# KiCad board FD.kicad_pcb
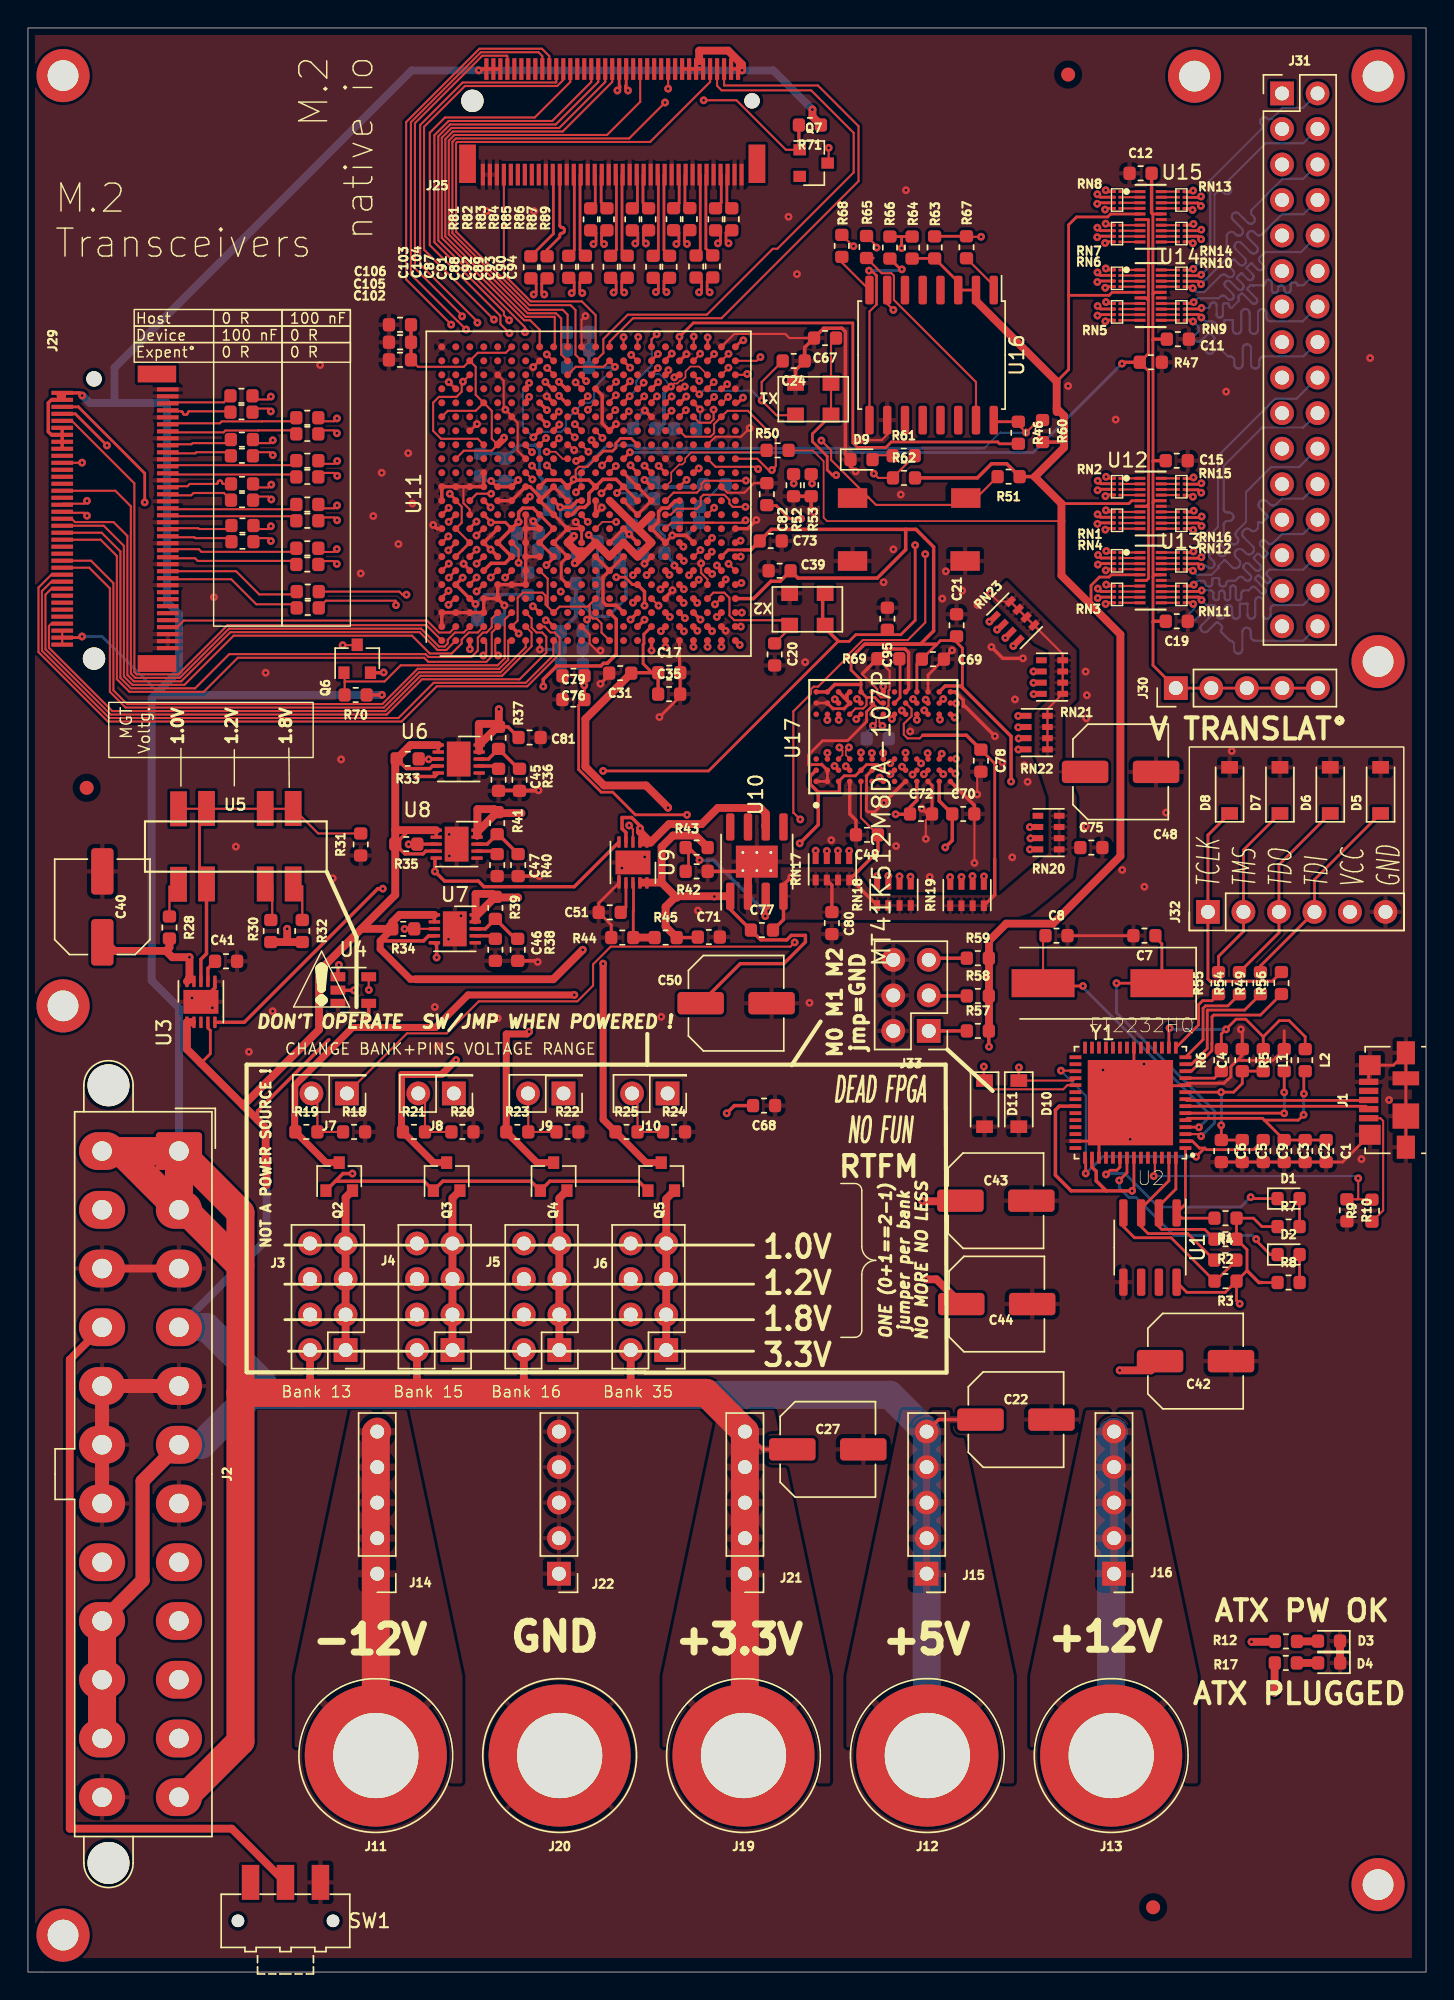
[diagram p0: board, top side]
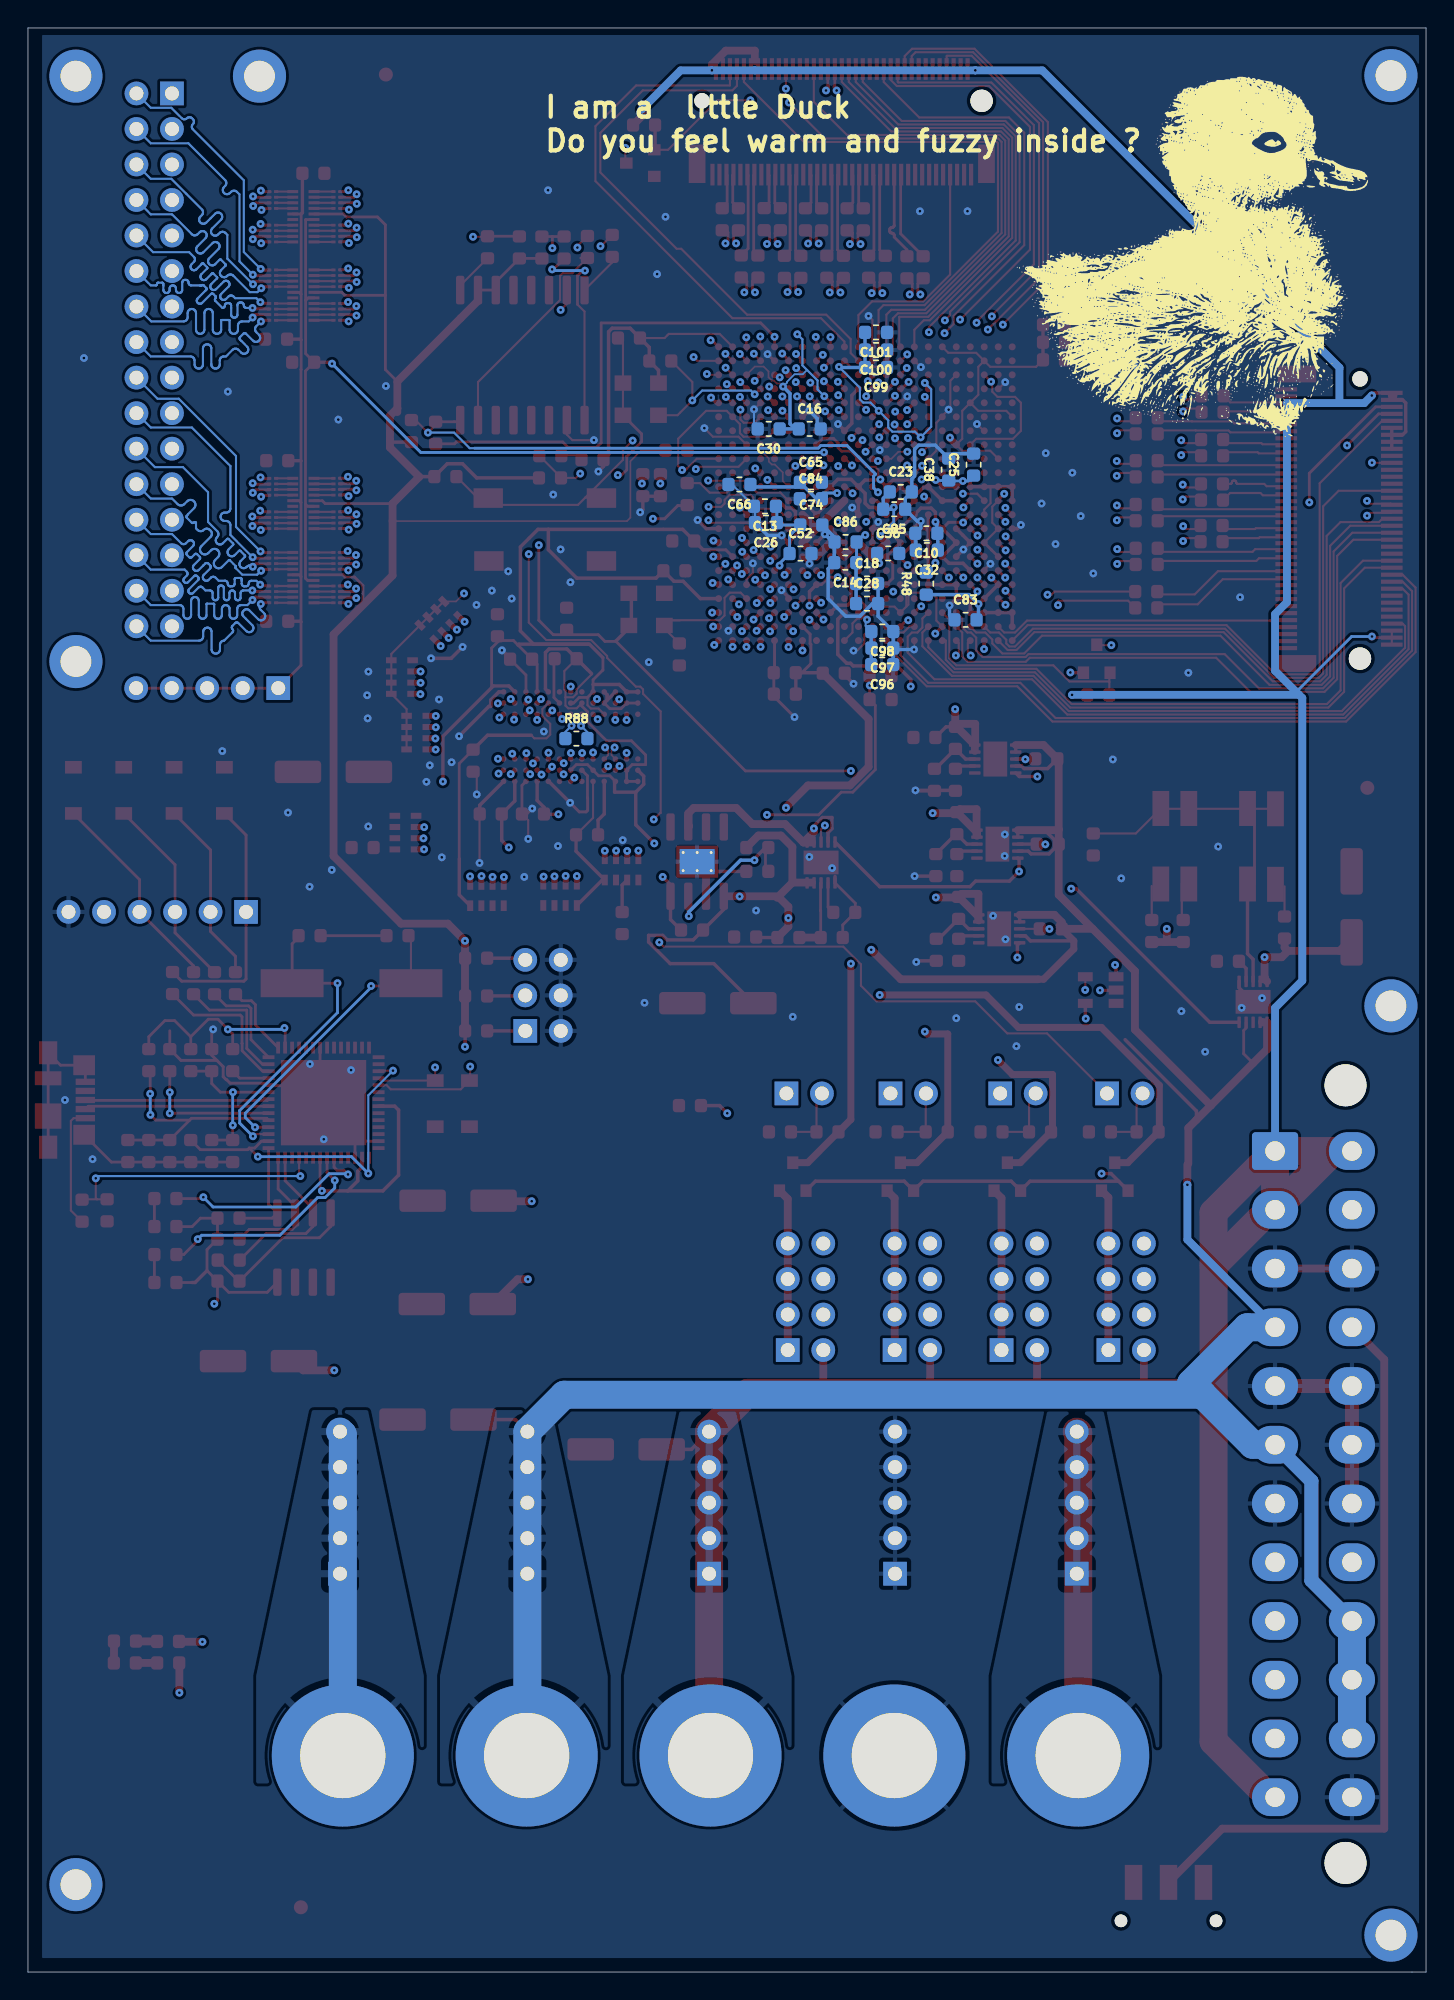
[diagram p1: board, bottom side, seen from below]

Outline 100 x 139 mm; copper layers: Top, In1.CuGND_DDR (plane), In2.Cu_SigDDR, In3.Cu_GND_DDR, In4.Cu_SigDDR (plane), B.Cu_GND_DDR. Coordinates in mm from the lower left corner of the outline.
Outline path: 0,139 0,0 100,0 100,139 0,139
Stack: Top 0.035mm / dielectric 0.1mm FR4 er 4.08 / In1.CuGND_DDR 0.0175mm / dielectric 0.365mm FR4 er 4.08 / In2.Cu_SigDDR 0.0175mm / dielectric 0.127mm FR4 er 4.08 / In3.Cu_GND_DDR 0.0175mm / dielectric 0.365mm FR4 er 4.08 / In4.Cu_SigDDR 0.0175mm / dielectric 0.1mm FR4 er 4.08 / B.Cu_GND_DDR 0.035mm

## Placement (name value [footprint] x y rotation side)
C1  4.7uF TA  [C_0603_1608Metric]  92.86 58.7 270 top
C2  100nF  [C_0603_1608Metric]  91.36 58.7 270 top
C3  10nF  [C_0603_1608Metric]  89.86 58.7 270 top
C4  4.7uF TA  [C_0603_1608Metric]  86.86 65.2 90 top
C5  100nF  [C_0603_1608Metric]  86.86 58.7 270 top
C6  10nF  [C_0603_1608Metric]  85.36 58.7 270 top
C7  20pF  [C_0603_1608Metric]  79.86 74.1 180 top
C8  20pF  [C_0603_1608Metric]  73.57 74.1 0 top
C9  4.7uF  [C_0603_1608Metric]  88.36 58.7 270 top
C10  4.7uF  [C_0603_1608Metric]  35.74 102.87 0 bottom
C11  4.7uF  [C_0603_1608Metric]  82.25 116.75 180 top
C12  4.7uF  [C_0603_1608Metric]  79.58 128.61 0 top
C13  4.7uF  [C_0603_1608Metric]  47.29 104.8 0 bottom
C14  4.7uF  [C_0603_1608Metric]  41.54 100.77 0 bottom
C15  4.7uF  [C_0603_1608Metric]  82.17 108.06 180 top
C16  4.7uF  [C_0603_1608Metric]  44.08 110.34 180 bottom
C17  4.7uF  [C_0603_1608Metric]  45.87 92.9 0 top
C18  4.7uF  [C_0603_1608Metric]  39.98 99.28 180 bottom
C19  4.7uF  [C_0603_1608Metric]  82.17 96.58 180 top
C20  15pF  [C_0603_1608Metric]  53.41 94.21 90 top
C21  4.7uF  [C_0603_1608Metric]  66.42 96.29 90 top
C22  100uF  [C_Elec_6.3x5.8]  70.67 39.5 0 top
C23  0.47uF  [C_0603_1608Metric]  37.57 105.83 180 bottom
C24  15pF  [C_0603_1608Metric]  54.77 115.19 180 top
C25  0.47uF  [C_0603_1608Metric]  32.36 107.78 90 bottom
C26  0.47uF  [C_0603_1608Metric]  47.22 103.63 0 bottom
C27  100uF  [C_Elec_6.3x5.8]  57.21 37.37 0 top
C28  0.47uF  [C_0603_1608Metric]  39.98 97.84 180 bottom
C30  0.47uF  [C_0603_1608Metric]  47.02 110.34 0 bottom
C31  0.47uF  [C_0603_1608Metric]  42.36 92.87 180 top
C32  0.47uF  [C_0603_1608Metric]  35.71 101.67 0 bottom
C35  0.47uF  [C_0603_1608Metric]  45.86 91.37 0 top
C36  0.1uF  [C_0603_1608Metric]  38.47 101.43 180 bottom
C38  0.1uF  [C_0603_1608Metric]  34.14 107.43 90 bottom
C39  0.1uF  [C_0603_1608Metric]  53.76 100.19 180 top
C40  100uF  [C_Elec_6.3x5.8]  5.32 76.16 90 top
C41  5.6nF  [C_0603_1608Metric]  14.17 72.27 0 top
C42  100uF  [C_Elec_6.3x5.8]  83.51 43.68 0 top
C43  100uF  [C_Elec_6.3x5.8]  69.23 55.15 0 top
C44  100uF  [C_Elec_6.3x5.8]  69.29 47.76 0 top
C45  5.6nF  [C_0603_1608Metric]  33.66 85.24 270 top
C46  5.6nF  [C_0603_1608Metric]  33.43 73.09 270 top
C47  5.6nF  [C_0603_1608Metric]  33.56 79.14 270 top
C48  100uF  [C_Elec_6.3x5.8]  78.15 85.81 0 top
C49  10uF  [C_0603_1608Metric]  60.01 81.31 180 top
C50  100uF  [C_Elec_6.3x5.8]  50.65 69.27 0 top
C51  5.6nF  [C_0603_1608Metric]  41.61 75.76 180 top
C52  10uF  [C_0603_1608Metric]  44.74 101.42 180 bottom
C53  200nF  [C_0603_1608Metric]  19.98 100.64 180 top
C54  200nF  [C_0603_1608Metric]  19.98 103.77 180 top
C55  200nF  [C_0603_1608Metric]  19.98 106.9 180 top
C56  200nF  [C_0603_1608Metric]  19.98 109.98 180 top
C57  200nF  [C_0603_1608Metric]  20.01 97.54 180 top
C59  200nF  [C_0603_1608Metric]  19.98 101.8 180 top
C60  200nF  [C_0603_1608Metric]  19.98 104.93 180 top
C61  200nF  [C_0603_1608Metric]  19.98 108.06 180 top
C62  200nF  [C_0603_1608Metric]  19.98 111.13 180 top
C63  200nF  [C_0603_1608Metric]  20.01 98.7 180 top
C65  10nF  [C_0603_1608Metric]  44 106.52 180 bottom
C66  100nF  [C_0603_1608Metric]  49.11 106.36 0 bottom
C67  10nF  [C_0603_1608Metric]  57.01 116.83 180 top
C68  100nF  [C_0603_1608Metric]  52.65 61.95 180 top
C69  10nF  [C_0603_1608Metric]  64.73 93.87 0 top
C70  100nF  [C_0603_1608Metric]  66.9 82.8 0 top
C71  100nF  [C_0603_1608Metric]  48.7 74 0 top
C72  100nF  [C_0603_1608Metric]  63.88 82.8 0 top
C73  100nF  [C_0603_1608Metric]  53.13 102.32 0 top
C74  10uF  [C_0603_1608Metric]  43.97 103.46 180 bottom
C75  100nF  [C_0603_1608Metric]  76.06 80.4 0 top
C76  10nF  [C_0603_1608Metric]  39.02 92.68 180 top
C77  10nF  [C_0603_1608Metric]  52.5 74.5 0 top
C78  10uF  [C_0603_1608Metric]  68.16 86.61 270 top
C79  100nF  [C_0603_1608Metric]  39.01 90.98 0 top
C80  100nF  [C_0603_1608Metric]  57.5 75 270 top
C81  200nF  [C_0603_1608Metric]  35.88 88.27 180 top
C82  100nF  [C_0603_1608Metric]  52.85 105.67 90 top
C83  200nF  [C_0603_1608Metric]  32.94 96.68 180 bottom
C84  10uF  [C_0603_1608Metric]  44 105.34 180 bottom
C85  10uF  [C_0603_1608Metric]  38.04 104.59 0 bottom
C86  10uF  [C_0603_1608Metric]  41.52 102.25 180 bottom
C87  200nF  [C_0603_1608Metric]  38.68 121.92 90 top
C88  200nF  [C_0603_1608Metric]  41.67 121.92 90 top
C89  200nF  [C_0603_1608Metric]  44.72 121.92 90 top
C90  200nF  [C_0603_1608Metric]  47.79 121.94 90 top
C91  200nF  [C_0603_1608Metric]  39.87 121.93 90 top
C92  200nF  [C_0603_1608Metric]  42.86 121.93 90 top
C93  200nF  [C_0603_1608Metric]  45.89 121.92 90 top
C94  200nF  [C_0603_1608Metric]  48.98 121.95 90 top
C95  100nF  [C_0603_1608Metric]  61.47 96.76 90 top
C96  200nF  [C_0603_1608Metric]  38.9 93.48 0 bottom
C97  0.47uF  [C_0603_1608Metric]  38.89 94.67 0 bottom
C98  0.47uF  [C_0603_1608Metric]  38.89 95.84 0 bottom
C99  0.47uF  [C_0603_1608Metric]  39.34 114.72 0 bottom
C100  0.47uF  [C_0603_1608Metric]  39.34 115.97 0 bottom
C101  200nF  [C_0603_1608Metric]  39.34 117.23 0 bottom
C102  200nF  [C_0603_1608Metric]  26.61 115.27 0 top
C103  200nF  [C_0603_1608Metric]  35.97 121.89 270 top
C104  200nF  [C_0603_1608Metric]  37.13 121.89 270 top
C105  0.47uF  [C_0603_1608Metric]  26.61 116.53 0 top
C106  0.47uF  [C_0603_1608Metric]  26.61 117.78 0 top
D1  LED_Small  [LED_0603_1608Metric]  90.17 55.3 0 top
D2  LED_Small  [LED_0603_1608Metric]  90.17 51.3 0 top
D3  LED  [LED_0603_1608Metric]  93.06 23.66 180 top
D4  LED  [LED_0603_1608Metric]  93.07 22.1 180 top
D5  MMSZ4678-TPMSCT-ND‎  [D_SOD-123]  96.75 84.49 90 top
D6  MMSZ4678-TPMSCT-ND‎  [D_SOD-123]  93.15 84.49 90 top
D7  MMSZ4678-TPMSCT-ND‎  [D_SOD-123]  89.55 84.49 90 top
D8  MMSZ4678-TPMSCT-ND‎  [D_SOD-123]  85.95 84.49 90 top
D9  LED_Small  [LED_0603_1608Metric]  59.62 108.14 0 top
D10  MMSZ4678-TPMSCT-ND‎  [D_SOD-123]  70.87 62.09 270 top
D11  MMSZ4678-TPMSCT-ND‎  [D_SOD-123]  68.42 62.09 270 top
G***  LOGO  [logo3]  17.39 122.27 180 bottom
J1  USB_B_Micro  [USB_Micro-B_Molex_47346-0001]  97.36 62.35 90 top
J2  ATX-24  [Molex_Mini-Fit_Jr_5566-24A2_2x12_P4.20mm_Vertical]  10.8 58.7 270 top
J3  Conn_01x05  [PinHeader_2x04_P2.54mm_Vertical]  22.72 44.47 180 top
J4  Conn_01x05  [PinHeader_2x04_P2.54mm_Vertical]  30.36 44.47 180 top
J5  Conn_01x05  [PinHeader_2x04_P2.54mm_Vertical]  38.01 44.47 180 top
J6  Conn_01x05  [PinHeader_2x04_P2.54mm_Vertical]  45.65 44.47 180 top
J7  Conn_01x02_Male  [PinHeader_2x01_P2.54mm_Vertical]  22.82 62.82 180 top
J8  Conn_01x02_Male  [PinHeader_2x01_P2.54mm_Vertical]  30.46 62.82 180 top
J9  Conn_01x02_Male  [PinHeader_2x01_P2.54mm_Vertical]  38.31 62.82 180 top
J10  Conn_01x02_Male  [PinHeader_2x01_P2.54mm_Vertical]  45.75 62.82 180 top
J11  Conn_01x01_Male  [Banana_Jack_1Pin]  24.88 15.48 180 top
J12  Conn_01x01_Male  [Banana_Jack_1Pin]  64.33 15.48 180 top
J13  Conn_01x01_Male  [Banana_Jack_1Pin]  77.48 15.48 180 top
J14  Conn_01x05  [PinHeader_1x05_P2.54mm_Vertical]  24.98 28.48 180 top
J15  Conn_01x05  [PinHeader_1x05_P2.54mm_Vertical]  64.28 28.48 180 top
J16  Conn_01x05  [PinHeader_1x05_P2.54mm_Vertical]  77.68 28.48 180 top
J19  Conn_01x01_Male  [Banana_Jack_1Pin]  51.18 15.48 180 top
J20  Conn_01x01_Male  [Banana_Jack_1Pin]  38.03 15.48 180 top
J21  Conn_01x05  [PinHeader_1x05_P2.54mm_Vertical]  51.28 28.48 180 top
J22  Conn_01x05  [PinHeader_1x05_P2.54mm_Vertical]  37.98 28.48 180 top
J25  M.2_Socket_M  [m.2]  41.79 132.29 180 top
J29  M.2_Socket_M  [m.2]  6.22 103.91 270 top
J30  Conn_01x05_Male  [PinHeader_1x05_P2.54mm_Vertical]  82.1 91.8 90 top
J31  Conn_02x16_Counter_Clockwise  [PinHeader_2x16_P2.54mm_Vertical]  89.7 134.32 0 top
J32  Conn_01x06_Male  [PinHeader_1x06_P2.54mm_Vertical]  84.4 75.8 90 top
J33  Conn_02x03_Counter_Clockwise  [PinHeader_2x03_P2.54mm_Vertical]  64.43 67.29 180 top
L1  600R/100MHz  [R_0603_1608Metric]  88.36 65.2 270 top
L2  600R/100MHz  [R_0603_1608Metric]  91.36 65.2 270 top
Q2  DMG2301L  [SOT-23]  22.26 56.87 90 top
Q3  DMG2301L  [SOT-23]  29.95 56.87 90 top
Q4  DMG2301L  [SOT-23]  37.6 56.87 90 top
Q5  DMG2301L  [SOT-23]  45.3 56.87 90 top
Q6  DMG2301L  [SOT-23]  23.55 93.9 90 top
Q7  DMG2301L  [SOT-23]  56.2 129.34 0 top
R1  10k  [R_0603_1608Metric]  85.66 53.9 180 top
R2  10k  [R_0603_1608Metric]  85.66 52.4 180 top
R3  10k  [R_0603_1608Metric]  85.66 49.4 180 top
R4  2.2k  [R_0603_1608Metric]  85.64 50.9 0 top
R5  12k  [R_0603_1608Metric]  89.86 65.2 90 top
R6  1k  [R_0603_1608Metric]  85.36 65.2 90 top
R7  220  [R_0603_1608Metric]  90.17 53.3 0 top
R8  220  [R_0603_1608Metric]  90.17 49.3 0 top
R9  4.7k  [R_0603_1608Metric]  96.13 54.44 90 top
R10  10k  [R_0603_1608Metric]  94.34 54.46 270 top
R12  220  [R_0603_1608Metric]  89.98 23.64 180 top
R17  220  [R_0603_1608Metric]  89.97 22.1 180 top
R18  47k  [R_0603_1608Metric]  23.33 60.07 0 top
R19  47k  [R_0603_1608Metric]  19.92 60.07 0 top
R20  47k  [R_0603_1608Metric]  31.08 60.07 0 top
R21  47k  [R_0603_1608Metric]  27.61 60.07 0 top
R22  47k  [R_0603_1608Metric]  38.59 60.07 0 top
R23  47k  [R_0603_1608Metric]  35 60.07 0 top
R24  47k  [R_0603_1608Metric]  46.21 60.07 0 top
R25  47k  [R_0603_1608Metric]  42.81 60.07 0 top
R28  2.5k  [R_0603_1608Metric]  10.12 74.68 270 top
R30  5k  [R_0603_1608Metric]  17.37 74.43 270 top
R31  10k  [R_0603_1608Metric]  23.8 80.62 90 top
R32  12.5k  [R_0603_1608Metric]  19.62 74.43 270 top
R33  47k  [R_0603_1608Metric]  27.16 86.74 180 top
R34  47k  [R_0603_1608Metric]  26.84 74.59 180 top
R35  47k  [R_0603_1608Metric]  27.06 80.64 180 top
R36  4.53k  [R_0603_1608Metric]  35.16 85.24 90 top
R37  1.13k  [R_0603_1608Metric]  33.66 88.24 90 top
R38  10k  [R_0603_1608Metric]  35.03 73.09 90 top
R39  5k  [R_0603_1608Metric]  33.43 76.09 90 top
R40  10k  [R_0603_1608Metric]  35.06 79.14 90 top
R41  12.5k  [R_0603_1608Metric]  33.56 82.14 90 top
R42  47k  [R_0603_1608Metric]  47.83 78.7 0 top
R43  47k  [R_0603_1608Metric]  47.83 80.4 180 top
R44  4.7k  [R_0603_1608Metric]  42.51 73.96 0 top
R45  3.3k  [R_0603_1608Metric]  45.61 73.96 0 top
R46  49.9  [R_0603_1608Metric]  70.84 110.06 270 top
R47  4.7k  [R_0603_1608Metric]  80.31 115.1 0 top
R48  100  [R_0603_1608Metric]  35.75 99.27 90 bottom
R49  100  [R_0603_1608Metric]  88.16 70.7 90 top
R50  4.7k  [R_0603_1608Metric]  53.62 108.8 180 top
R51  4.7k  [R_0603_1608Metric]  70.14 106.92 180 top
R52  1k  [R_0603_1608Metric]  54.76 106.31 90 top
R53  1k  [R_0603_1608Metric]  56.02 106.31 90 top
R54  100  [R_0603_1608Metric]  86.66 70.7 90 top
R55  100  [R_0603_1608Metric]  85.16 70.7 90 top
R56  100  [R_0603_1608Metric]  89.66 70.71 90 top
R57  1k  [R_0603_1608Metric]  67.94 67.29 0 top
R58  1k  [R_0603_1608Metric]  67.94 69.79 0 top
R59  1k  [R_0603_1608Metric]  67.94 72.49 0 top
R60  100  [R_0603_1608Metric]  72.57 110.18 270 top
R61  100  [R_0603_1608Metric]  62.64 108.42 0 top
R62  200  [R_0603_1608Metric]  62.66 106.83 0 top
R63  1.8k  [R_0603_1608Metric]  64.85 123.31 90 top
R64  1.8k  [R_0603_1608Metric]  63.24 123.3 90 top
R65  50  [R_0603_1608Metric]  59.98 123.34 90 top
R66  50  [R_0603_1608Metric]  61.65 123.3 90 top
R67  50  [R_0603_1608Metric]  67.13 123.32 90 top
R68  50  [R_0603_1608Metric]  58.21 123.42 270 top
R69  240  [R_0603_1608Metric]  61.54 93.9 180 top
R70  47k  [R_0603_1608Metric]  23.44 91.31 180 top
R71  47k  [R_0603_1608Metric]  55.93 132.06 180 top
R73  R_Small  [C_0603_1608Metric]  15.34 102.27 180 top
R74  R_Small  [C_0603_1608Metric]  15.34 103.43 180 top
R75  R_Small  [C_0603_1608Metric]  15.31 105.24 180 top
R76  R_Small  [C_0603_1608Metric]  15.31 106.4 180 top
R77  R_Small  [C_0603_1608Metric]  15.3 108.41 180 top
R78  R_Small  [C_0603_1608Metric]  15.3 109.57 180 top
R79  R_Small  [C_0603_1608Metric]  15.27 111.53 180 top
R80  R_Small  [C_0603_1608Metric]  15.27 112.7 180 top
R81  R_Small  [C_0603_1608Metric]  40.25 125.32 90 top
R82  R_Small  [C_0603_1608Metric]  41.41 125.32 90 top
R83  R_Small  [C_0603_1608Metric]  43.23 125.32 90 top
R84  R_Small  [C_0603_1608Metric]  44.39 125.32 90 top
R85  R_Small  [C_0603_1608Metric]  46.18 125.33 90 top
R86  R_Small  [C_0603_1608Metric]  47.34 125.33 90 top
R87  R_Small  [C_0603_1608Metric]  49.18 125.32 90 top
R88  68  [R_0603_1608Metric]  60.77 88.19 180 bottom
R89  R_Small  [C_0603_1608Metric]  50.34 125.32 90 top
REF**  -  [MountingHole_2.2mm_M2_DIN965_Pad]  2.51 135.6 0 top
REF**#2  -  [Fiducial_1mm_Mask2mm]  80.48 4.63 0 top
REF**#3  -  [Fiducial_1mm_Mask2mm]  4.2 84.67 0 top
REF**#4  -  [MountingHole_2.2mm_M2_DIN965_Pad]  96.57 6.25 0 top
REF**#5  -  [MountingHole_2.2mm_M2_DIN965_Pad]  96.57 135.56 0 top
REF**#6  -  [MountingHole_2.2mm_M2_DIN965_Pad]  2.51 2.64 0 top
REF**#7  -  [MountingHole_2.2mm_M2_DIN965_Pad]  2.51 69.08 0 top
REF**#8  -  [Fiducial_1mm_Mask2mm]  74.4 135.67 0 top
REF**#9  -  [MountingHole_2.2mm_M2_DIN965_Pad]  96.57 93.7 0 top
REF**#10  -  [MountingHole_2.2mm_M2_DIN965_Pad]  83.44 135.56 0 top
RN1  1k x4  [Resistor_Array_4x0503]  77.9 103.8 180 top
RN2  1k x4  [Resistor_Array_4x0503]  77.9 106.2 180 top
RN3  1k x4  [Resistor_Array_4x0503]  77.9 98.5 180 top
RN4  1k x4  [Resistor_Array_4x0503]  77.9 100.9 180 top
RN5  1k x4  [Resistor_Array_4x0503]  77.9 118.7 180 top
RN6  1k x4  [Resistor_Array_4x0503]  77.9 121.1 180 top
RN7  1k x4  [Resistor_Array_4x0503]  77.9 124.3 180 top
RN8  1k x4  [Resistor_Array_4x0503]  77.9 126.7 180 top
RN9  1k x4  [Resistor_Array_4x0503]  82.5 118.7 180 top
RN10  1k x4  [Resistor_Array_4x0503]  82.5 121.1 180 top
RN11  1k x4  [Resistor_Array_4x0503]  82.5 98.5 180 top
RN12  1k x4  [Resistor_Array_4x0503]  82.5 100.9 180 top
RN13  1k x4  [Resistor_Array_4x0503]  82.5 126.7 0 top
RN14  1k x4  [Resistor_Array_4x0503]  82.5 124.3 0 top
RN15  1k x4  [Resistor_Array_4x0503]  82.5 106.2 0 top
RN16  1k x4  [Resistor_Array_4x0503]  82.5 103.8 0 top
RN17  1k x4  [R_Cat16-4]  57.54 78.84 90 top
RN18  1k x4  [R_Cat16-4]  61.94 77.02 90 top
RN19  1k x4  [R_Cat16-4]  67.17 77 90 top
RN20  1k x4  [R_Cat16-4]  73 81.47 180 top
RN21  1k x4  [R_Cat16-4]  73.25 92.59 180 top
RN22  1k x4  [R_Cat16-4]  72.16 88.62 180 top
RN23  1k x4  [R_Cat16-4]  70.57 96.61 225 top
SW1  SW_SPDT  [SW_SPDT_CK-JS102011SAQN]  18.42 3.66 0 top
SW2  SW_SPST  [FSM4JSMATR]  63.03 103.14 180 top
U1  AT93C66C  [SOIC-8_3.9x4.9mm_P1.27mm]  80.26 51.8 270 top
U2  FT2232HQ  [VQFN-56-ftdi2232h-56q]  78.86 62.16 180 top
U3  NCP59744-DFN10  [DFN-10-1EP_3x3mm_P0.5mm_EP1.7x2.5mm]  12.37 69.37 90 top
U4  74LX1G00  [SOT-23-5]  23.27 70.21 0 top
U5  SWITCH_DP3T  [JS203011SCQN]  14.87 80.47 180 top
U6  NCP59744-DFN10  [DFN-10-1EP_3x3mm_P0.5mm_EP1.7x2.5mm]  30.81 86.73 0 top
U7  NCP59744-DFN10  [DFN-10-1EP_3x3mm_P0.5mm_EP1.7x2.5mm]  30.53 74.59 0 top
U8  NCP59744-DFN10  [DFN-10-1EP_3x3mm_P0.5mm_EP1.7x2.5mm]  30.66 80.64 0 top
U9  NCP59744-DFN10  [DFN-10-1EP_3x3mm_P0.5mm_EP1.7x2.5mm]  43.27 79.33 270 top
U10  AP2303  [SOIC-8-1EP_3.9x4.9mm_P1.27mm_EP2.29x3mm_ThermalVias]  52.13 79.39 90 top
U11  XC7A100T-FGG484  [Xilinx_FGG484.p2d]  40.1 105.7 90 top
U12  NLSX3018  [ON_Semiconductor-517AK-01-11_2006-O-MFG]  80.3 105 0 top
U13  NLSX3018  [ON_Semiconductor-517AK-01-11_2006-O-MFG]  80.3 99.7 0 top
U14  NLSX3018  [ON_Semiconductor-517AK-01-11_2006-O-MFG]  80.3 119.9 0 top
U15  NLSX3018  [ON_Semiconductor-517AK-01-11_2006-O-MFG]  80.3 125.5 0 top
U16  MT25Q128-8-ESF_SO16  [SOIC-16W_7.5x10.3mm_P1.27mm]  64.63 115.61 270 top
U17  MT41K512M8DA-107P  [Micron-DA-0-0-0]  61.18 88.33 90 top
X1  ASTMLPE-18-100.000MHZ-LJ-E-T  [ABRACON_ASFLMB]  56.17 112.46 180 top
X2  ASTMLPE-18-133.333MHZ-LJ-E-T  [ABRACON_ASFLMB]  55.75 97.43 180 top
Y1  12 MHz  [Crystal_SMD_HC49-SD]  76.86 70.7 180 top

## Library data of the parts
U17 = -: category: IC; device class L1: Integrated Circuits (ICs); device class L2: Memory; device class L3: RAM; digikey description: IC DRAM 4G PARALLEL 78FBGA; digikey part number: 557-1764-ND; frequency: 933MHz; height: 1.2mm; interface: Parallel; ipc land pattern name: BGA117N80P9X13_1060X810X120; lead free: yes; library id: d7841f35dc82d472; manufacturer: Micron; max supply voltage: 1.45V; memory size: 512MB; memory type: SDRAM,DDR3; min supply voltage: 1.283V; mouser part number: 340-265805-TRAY; package: FBGA78; rohs: yes; standoff height: 0.135mm; temperature range high: +95°C; temperature range low: 0°C

## Footprints (pads in the part's own frame, mm; a bottom-side part is the same pattern mirrored in y, then rotated)
ABRACON_ASFLMB
  rect 1.2x1.1 smd: 1(-1.27,-1.15) 2(1.27,-1.15) 3(1.27,1.15) 4(-1.27,1.15)
Banana_Jack_1Pin
  round 10.16 hole 6.1: 1(0,0)
C_0603_1608Metric
  rrect 0.875x0.95 smd: 1(-0.787,0) 2(0.787,0)
C_Elec_6.3x5.8
  rrect 3.325x1.6 smd: 1(-2.538,0) 2(2.538,0)
Crystal_SMD_HC49-SD
  rect 4.5x2 smd: 1(-4.25,0) 2(4.25,0)
D_SOD-123
  rect 0.9x1.2 smd: 1(-1.65,0) 2(1.65,0)
DFN-10-1EP_3x3mm_P0.5mm_EP1.7x2.5mm
  rrect 0.69x1.01 smd: (-0.425,0.625) (-0.425,-0.625) (0.425,0.625) (0.425,-0.625)
  rrect 0.825x0.25 smd: 1(-1.462,1) 2(-1.462,0.5) 3(-1.462,0) 4(-1.462,-0.5) 5(-1.462,-1) 6(1.462,-1) 7(1.462,-0.5) 8(1.462,0) 9(1.462,0.5) 10(1.462,1)
  rect 1.7x2.5 smd: 11(0,0)
Fiducial_1mm_Mask2mm
  round 1 smd: (0,0)
FSM4JSMATR
  rect 2.1x1.4 smd: 1(-4.05,-2.25) 1(4.05,-2.25) 2(-4,2.25) 2(4.05,2.25)
JS203011SCQN
  rect 1.2x2.5 smd: 1(-4.1,-2.725) 2(-2.1,-2.725) 3(2.1,-2.725) 4(4.1,-2.7) 5(-4.1,2.675) 6(-2.1,2.675) 7(2.1,2.675) 8(4.1,2.7)
LED_0603_1608Metric
  rrect 0.875x0.95 smd: 1(-0.787,0) 2(0.787,0)
m.2
  round 1.1 hole 1.1 unplated: (-10,-1.5)
  round 1.6 hole 1.6 unplated: (10,-1.5)
  rect 0.3x1.55 smd: 1(-9.25,3.775) 2(-9,-3.775) 3(-8.75,3.775) 4(-8.5,-3.775) 5(-8.25,3.775) 6(-8,-3.775) 7(-7.75,3.775) 8(-7.5,-3.775) 9(-7.25,3.775) 10(-7,-3.775) 11(-6.75,3.775) 12(-6.5,-3.775) 13(-6.25,3.775) 14(-6,-3.775) 15(-5.75,3.775) 16(-5.5,-3.775) 17(-5.25,3.775) 18(-5,-3.775) 19(-4.75,3.775) 20(-4.5,-3.775) 21(-4.25,3.775) 22(-4,-3.775) 23(-3.75,3.775) 24(-3.5,-3.775) 25(-3.25,3.775) 26(-3,-3.775) 27(-2.75,3.775) 28(-2.5,-3.775) 29(-2.25,3.775) 30(-2,-3.775) 31(-1.75,3.775) 32(-1.5,-3.775) 33(-1.25,3.775) 34(-1,-3.775) 35(-0.75,3.775) 36(-0.5,-3.775) 37(-0.25,3.775) 38(0,-3.775) 39(0.25,3.775) 40(0.5,-3.775) 41(0.75,3.775) 42(1,-3.775) 43(1.25,3.775) 44(1.5,-3.775) 45(1.75,3.775) 46(2,-3.775) 47(2.25,3.775) 48(2.5,-3.775) 49(2.75,3.775) 50(3,-3.775) 51(3.25,3.775) 52(3.5,-3.775) 53(3.75,3.775) 54(4,-3.775) 55(4.25,3.775) 56(4.5,-3.775) 57(4.75,3.775) 58(5,-3.775) 59(5.25,3.775) 60(5.5,-3.775) 61(5.75,3.775) 62(6,-3.775) 63(6.25,3.775) 64(6.5,-3.775) 65(6.75,3.775) 66(7,-3.775) 67(7.25,3.775) 68(7.5,-3.775) 69(7.75,3.775) 70(8,-3.775) 71(8.25,3.775) 72(8.5,-3.775) 73(8.75,3.775) 74(9,-3.775) 75(9.25,3.775)
  rect 1.2x2.75 smd: MP(-10.35,3) MP(10.35,3)
Micron-DA-0-0-0
  round 0.4 smd: A1(-3.2,4.8) A2(-2.4,4.8) A3(-1.6,4.8) A7(1.6,4.8) A8(2.4,4.8) A9(3.2,4.8) B1(-3.2,4) B2(-2.4,4) B3(-1.6,4) B7(1.6,4) B8(2.4,4) B9(3.2,4) C1(-3.2,3.2) C2(-2.4,3.2) C3(-1.6,3.2) C7(1.6,3.2) C8(2.4,3.2) C9(3.2,3.2) D1(-3.2,2.4) D2(-2.4,2.4) D3(-1.6,2.4) D7(1.6,2.4) D8(2.4,2.4) D9(3.2,2.4) E1(-3.2,1.6) E2(-2.4,1.6) E3(-1.6,1.6) E7(1.6,1.6) E8(2.4,1.6) E9(3.2,1.6) F1(-3.2,0.8) F2(-2.4,0.8) F3(-1.6,0.8) F7(1.6,0.8) F8(2.4,0.8) F9(3.2,0.8) G1(-3.2,0) G2(-2.4,0) G3(-1.6,0) G7(1.6,0) G8(2.4,0) G9(3.2,0) H1(-3.2,-0.8) H2(-2.4,-0.8) H3(-1.6,-0.8) H7(1.6,-0.8) H8(2.4,-0.8) H9(3.2,-0.8) J1(-3.2,-1.6) J2(-2.4,-1.6) J3(-1.6,-1.6) J7(1.6,-1.6) J8(2.4,-1.6) J9(3.2,-1.6) K1(-3.2,-2.4) K2(-2.4,-2.4) K3(-1.6,-2.4) K7(1.6,-2.4) K8(2.4,-2.4) K9(3.2,-2.4) L1(-3.2,-3.2) L2(-2.4,-3.2) L3(-1.6,-3.2) L7(1.6,-3.2) L8(2.4,-3.2) L9(3.2,-3.2) M1(-3.2,-4) M2(-2.4,-4) M3(-1.6,-4) M7(1.6,-4) M8(2.4,-4) M9(3.2,-4) N1(-3.2,-4.8) N2(-2.4,-4.8) N3(-1.6,-4.8) N7(1.6,-4.8) N8(2.4,-4.8) N9(3.2,-4.8)